# Altium PCB S6 V1.2.PcbDoc (part 3 of 3)
Units mil, origin at the board's own origin, x right, y up, seen from the top; angles counter-clockwise.
Board outline 4627.34 x 3435.24 mil, 4 copper layers (Top, GND, Power, Bottom), stack 65.004 mil thick; 231 components, 249 nets, 1013 pads, 463 vias.
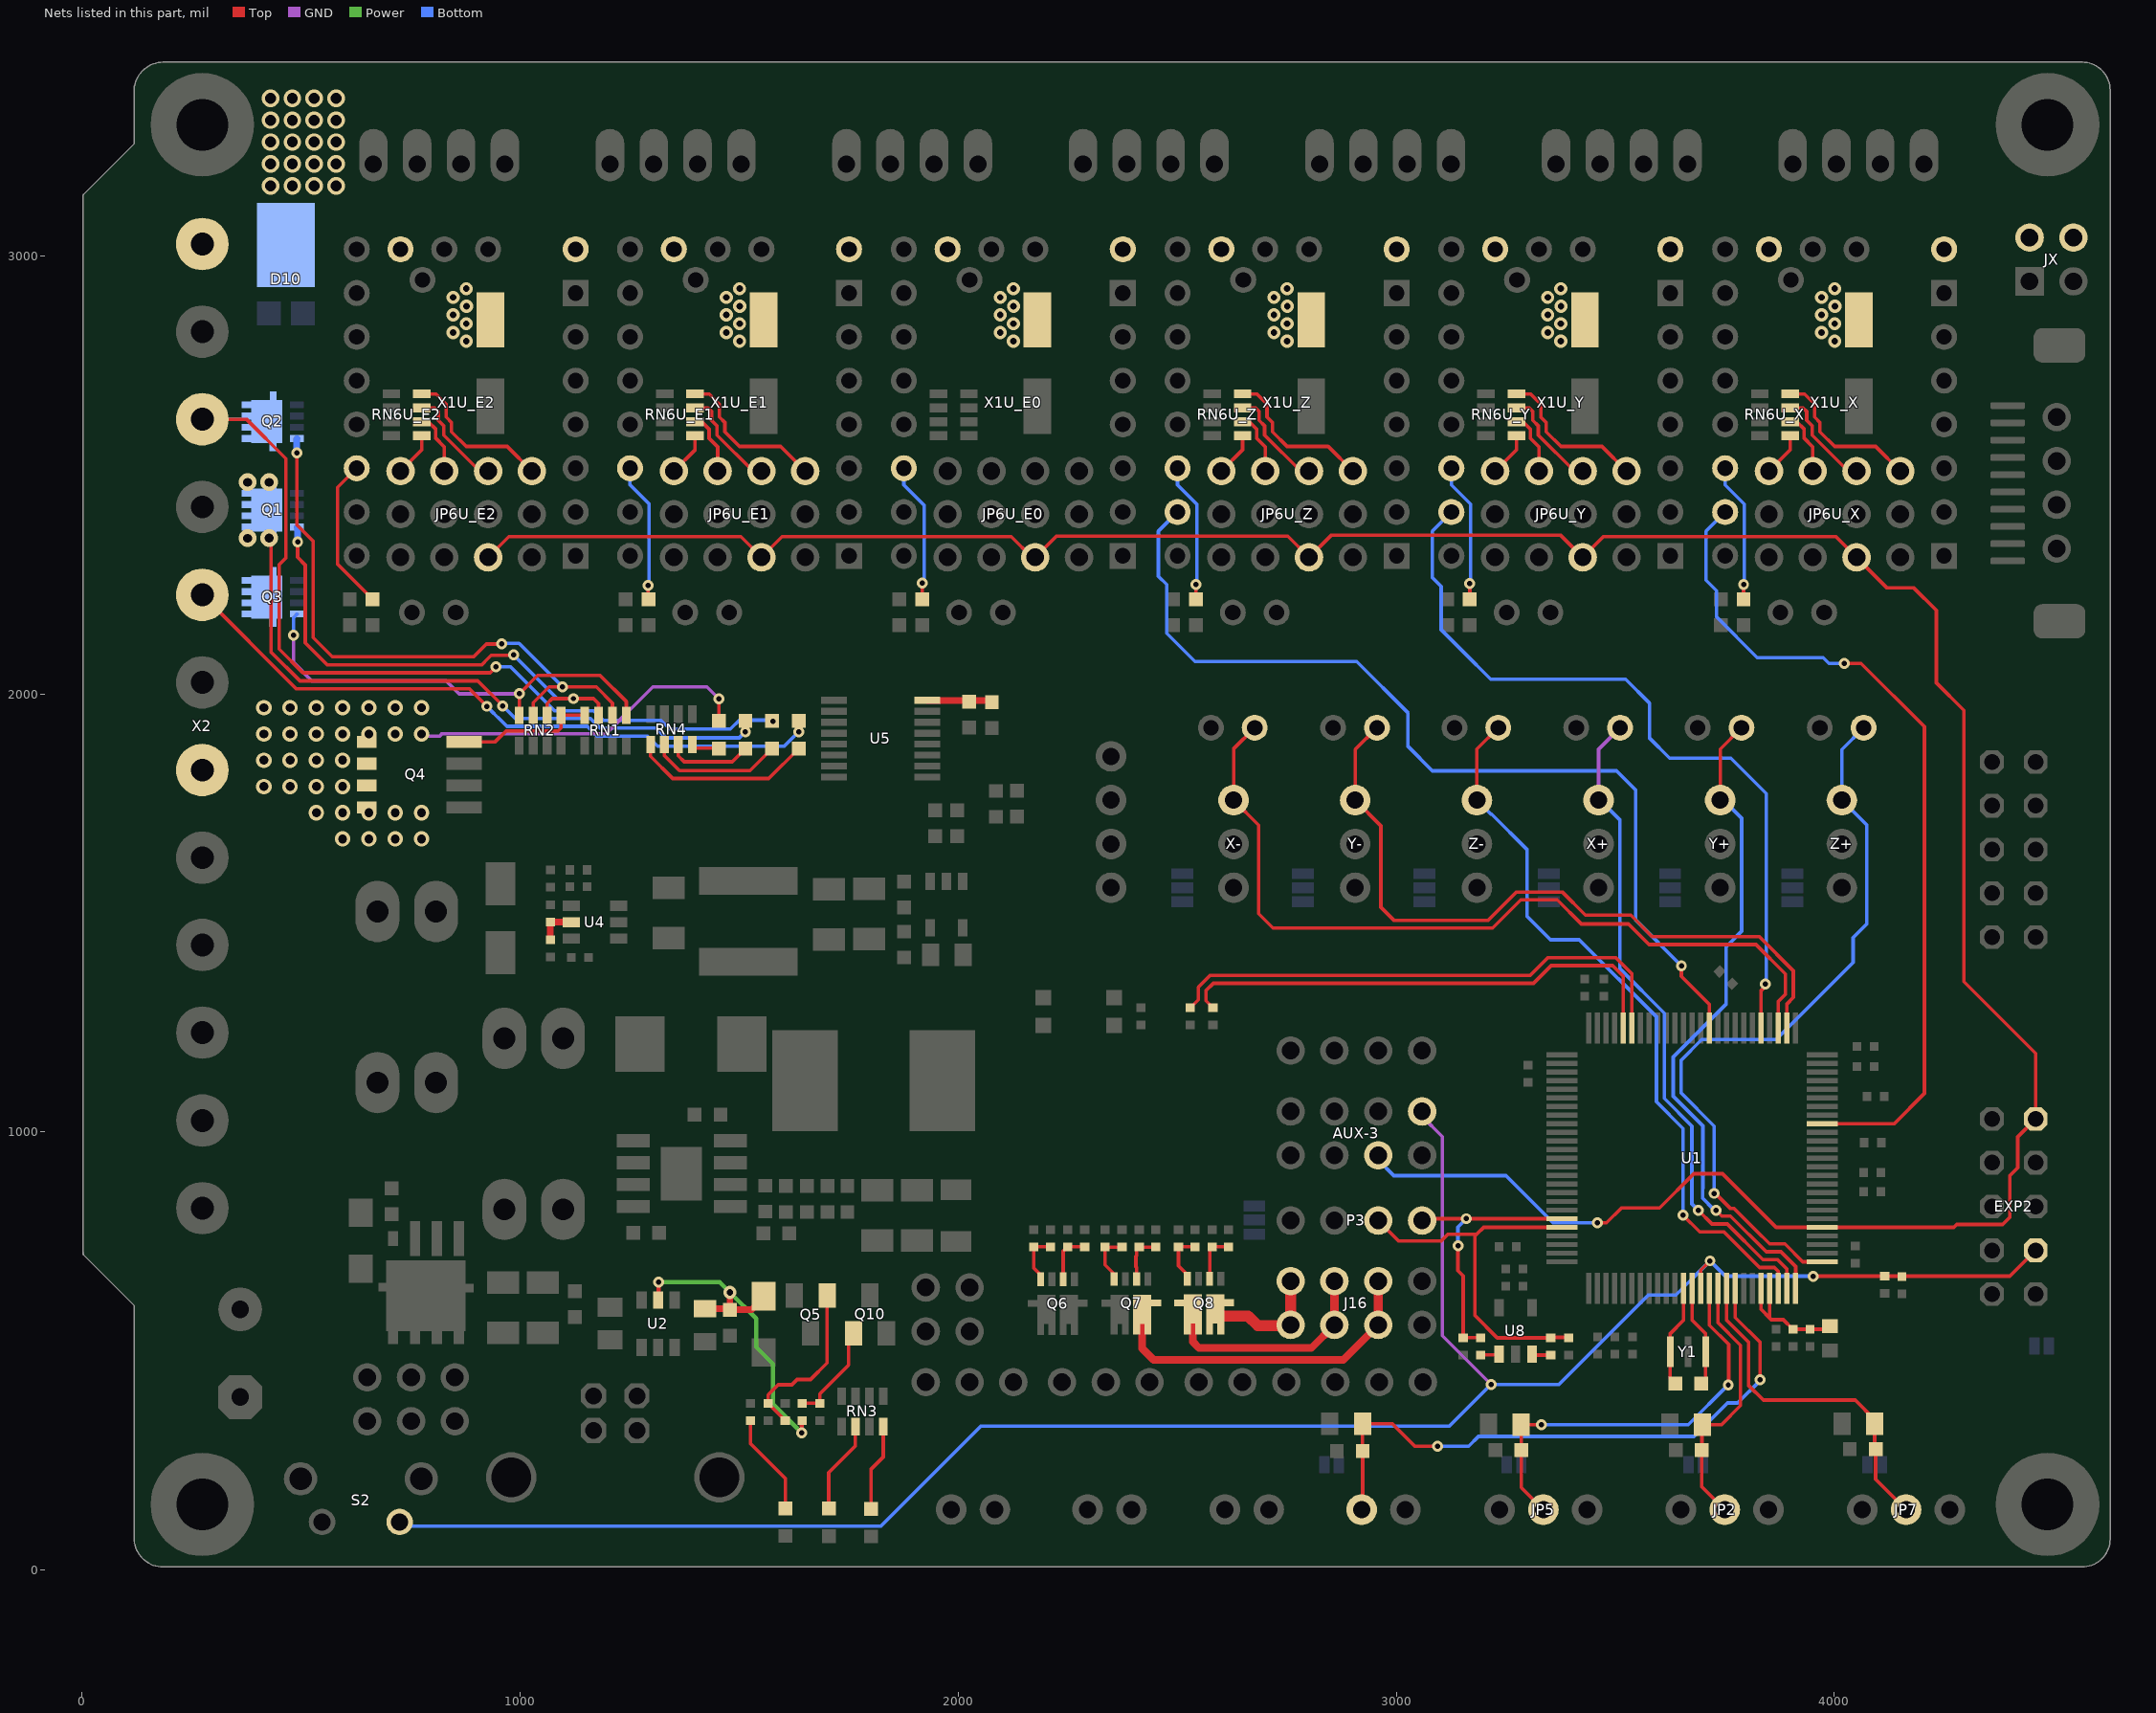
[diagram p5: the nets of this part, all layers, seen from the top]

## Via types
v1: diameter 25, hole 12, Top to Bottom, tented both sides, 192 vias
v2: diameter 30, hole 15, Top to Bottom, tented both sides, 157 vias
v3: diameter 35, hole 20, Top to Bottom, tented both sides, 60 vias
v4: diameter 40, hole 20, Top to Bottom, tented both sides, 31 vias
v5: diameter 40, hole 25, Top to Bottom, tented both sides, 20 vias
v6: diameter 22, hole 12, Top to Bottom, tented both sides, 3 vias

## Nets (pads, with @x,y where several pads share a name; then routed paths per layer and width w, separated by ;. In a path a pad name is that pad's centre, name@x,y a point inside that pad or via, vN(x,y) a via of type N, cw(c..) or ccw(c..) an arc to the next point about the centre after c; other vN are vias at no path point) (continued)
NetJP6U_E1_5: JP6U_E1.5 RN6U_E1.4 | length 354.3
  Top w8: RN6U_E1.4@1399.45,2685 1432,2685 1455,2662 1455,2632.09 1467.45,2619.64 1467.45,2598.55 1501,2565 1594.64,2565 JP6U_E1.5@1650.9,2508.74
NetJP6U_E1_6: JP6U_E1.6 RN6U_E1.3 | length 235.5
  Top w8: RN6U_E1.3@1399.45,2653 1429,2653 1437,2645 1437,2624.63 1449.45,2612.18 1449.45,2591.1 1531.8,2508.74 JP6U_E1.6@1550.9,2508.74
NetJP6U_E1_7: JP6U_E1.7 RN6U_E1.2 | length 142.9
  Top w8: RN6U_E1.2@1399.45,2621.25 1414.92,2621.25 1431.45,2604.73 1431.45,2583.64 1450.9,2564.19 JP6U_E1.7@1450.9,2508.74
NetJP6U_E1_8: JP6U_E1.8 RN6U_E1.1 | length 101.1
  Top w8: JP6U_E1.8@1350.9,2508.74 1399.45,2557.29 RN6U_E1.1@1399.45,2589.76
NetJP6U_E2_5: JP6U_E2.5 RN6U_E2.4 | length 354.3
  Top w8: RN6U_E2.4@775.45,2685 808,2685 831,2662 831,2632.09 843.45,2619.64 843.45,2598.55 877,2565 970.64,2565 JP6U_E2.5@1026.9,2508.74
NetJP6U_E2_6: JP6U_E2.6 RN6U_E2.3 | length 235.5
  Top w8: RN6U_E2.3@775.45,2653 805,2653 813,2645 813,2624.63 825.45,2612.18 825.45,2591.1 907.8,2508.74 JP6U_E2.6@926.9,2508.74
NetJP6U_E2_7: JP6U_E2.7 RN6U_E2.2 | length 142.9
  Top w8: RN6U_E2.2@775.45,2621.25 790.92,2621.25 807.45,2604.73 807.45,2583.64 826.9,2564.19 JP6U_E2.7@826.9,2508.74
NetJP6U_E2_8: JP6U_E2.8 RN6U_E2.1 | length 101.1
  Top w8: JP6U_E2.8@726.9,2508.74 775.45,2557.29 RN6U_E2.1@775.45,2589.76
NetJP6U_X_5: JP6U_X.5 RN6U_X.4 | length 354.3
  Top w8: RN6U_X.4@3899.45,2685 3932,2685 3955,2662 3955,2632.09 3967.45,2619.64 3967.45,2598.55 4001,2565 4094.64,2565 JP6U_X.5@4150.9,2508.74
NetJP6U_X_6: JP6U_X.6 RN6U_X.3 | length 235.5
  Top w8: RN6U_X.3@3899.45,2653 3929,2653 3937,2645 3937,2624.63 3949.45,2612.18 3949.45,2591.1 4031.8,2508.74 JP6U_X.6@4050.9,2508.74
NetJP6U_X_7: JP6U_X.7 RN6U_X.2 | length 142.9
  Top w8: RN6U_X.2@3899.45,2621.25 3914.92,2621.25 3931.45,2604.73 3931.45,2583.64 3950.9,2564.19 JP6U_X.7@3950.9,2508.74
NetJP6U_X_8: JP6U_X.8 RN6U_X.1 | length 101.1
  Top w8: JP6U_X.8@3850.9,2508.74 3899.45,2557.29 RN6U_X.1@3899.45,2589.76
NetJP6U_Y_5: JP6U_Y.5 RN6U_Y.4 | length 354.3
  Top w8: RN6U_Y.4@3274.45,2685 3307,2685 3330,2662 3330,2632.09 3342.45,2619.64 3342.45,2598.55 3376,2565 3469.64,2565 JP6U_Y.5@3525.9,2508.74
NetJP6U_Y_6: JP6U_Y.6 RN6U_Y.3 | length 235.5
  Top w8: RN6U_Y.3@3274.45,2653 3304,2653 3312,2645 3312,2624.63 3324.45,2612.18 3324.45,2591.1 3406.8,2508.74 JP6U_Y.6@3425.9,2508.74
NetJP6U_Y_7: JP6U_Y.7 RN6U_Y.2 | length 142.9
  Top w8: RN6U_Y.2@3274.45,2621.25 3289.92,2621.25 3306.45,2604.73 3306.45,2583.64 3325.9,2564.19 JP6U_Y.7@3325.9,2508.74
NetJP6U_Y_8: JP6U_Y.8 RN6U_Y.1 | length 101.1
  Top w8: JP6U_Y.8@3225.9,2508.74 3274.45,2557.29 RN6U_Y.1@3274.45,2589.76
NetJP6U_Z_5: JP6U_Z.5 RN6U_Z.4 | length 354.3
  Top w8: RN6U_Z.4@2649.45,2685 2682,2685 2705,2662 2705,2632.09 2717.45,2619.64 2717.45,2598.55 2751,2565 2844.64,2565 JP6U_Z.5@2900.9,2508.74
NetJP6U_Z_6: JP6U_Z.6 RN6U_Z.3 | length 235.5
  Top w8: RN6U_Z.3@2649.45,2653 2679,2653 2687,2645 2687,2624.63 2699.45,2612.18 2699.45,2591.1 2781.8,2508.74 JP6U_Z.6@2800.9,2508.74
NetJP6U_Z_7: JP6U_Z.7 RN6U_Z.2 | length 142.9
  Top w8: RN6U_Z.2@2649.45,2621.25 2664.92,2621.25 2681.45,2604.73 2681.45,2583.64 2700.9,2564.19 JP6U_Z.7@2700.9,2508.74
NetJP6U_Z_8: JP6U_Z.8 RN6U_Z.1 | length 101.1
  Top w8: JP6U_Z.8@2600.9,2508.74 2649.45,2557.29 RN6U_Z.1@2649.45,2589.76
NetLD1_1: LD1.1 Q4.5 Q4.6 Q4.7 Q4.8 X2.7 | length 788.6
  Top w8: LD1.1@1453.5,1938.5 v1@1453.5,1988.97
  GND w8: v3(775,1909) 780,1904 816.26,1904 821.79,1909.53 1196.47,1909.53 1302.94,2016 1426.47,2016 v1@1453.5,1988.97
  other v1: 1453.5,1988.85
  other v3: 595,1669 655,1669 715,1669 775,1669 535,1729 595,1729 655,1729 715,1729 775,1729 415,1789 475,1789 535,1789 595,1789 415,1849 475,1849 535,1849 595,1849 415,1909 475,1909 535,1909 595,1909 655,1909 715,1909 415,1969 475,1969 535,1969 595,1969 655,1969 715,1969 775,1969
NetLD1_2: LD1.2 RN4.4 | length 61.1
  Top w8: RN4.4@1393,1876.55 1452.02,1876.55 LD1.2@1453.5,1875.07
NetLD2_1: LD2.1 Q1.5 Q1.6 Q1.7 Q1.8 X2.1 | length 1454.9
  Top w8: v4@431,2356 431,2096.25 497.25,2030 903.48,2030 960,1973.48 v1(960,1973) ; v1(1514.33,1914) LD2.1@1514.33,1938.5
  Bottom w8: v1(960,1973) 989,1944 1160.63,1944 1182.63,1922 1310.98,1922 1332.98,1900 1500.33,1900 v1(1514.33,1914)
  other v4: 378,2355.64 427,2356 378,2483.59 427,2483.59
NetLD2_2: LD2.2 RN4.3 | length 197.2
  Top w8: RN4.3@1361,1884.55 1361,1858.77 1374.52,1845.25 1484.08,1845.25 LD2.2@1514.33,1875.5
NetLD3_1: LD3.1 Q2.5 Q2.6 Q2.7 Q2.8 X2.3 | length 1991.4
  Top w8: X2.3@274.41,2627.17 375.36,2627.17 465,2537.52 465,2310.46 450,2295.46 450,2102.71 504.21,2048.5 931.5,2048.5 v1(945,2062)
  Bottom w8: X2.3@274.41,2627.17 Q2.7@373.83,2627.17 ; v1(945,2062) 977.91,2062 1077.91,1962 1168.09,1962 1190.09,1940 1321,1940 1341,1920 1480,1920 1500.5,1940.5 1574.4,1940.5 v1(1576.83,1938.06)
NetLD3_2: LD3.2 RN4.2 | length 306.1
  Top w8: RN4.2@1329.25,1884.55 1329.25,1859.59 1363.85,1825 1524.66,1825 LD3.2@1575.17,1875.5
NetLD4_1: LD4.1 Q3.5 Q3.6 Q3.7 Q3.8 X2.5 | length 1544.9
  Top w8: X2.5@274.41,2226.33 488.74,2012 884,2012 v1(924,1972) ; v1@1636,1912.18 v1(1636,1914) LD4.1@1636,1938.5
  Bottom w8: v1(924,1972) 933.5,1962.5 933.5,1962.02 949.02,1946.5 949.5,1946.5 970,1926 1153.18,1926 1175.18,1904 1291.1,1904 1314.1,1881 1603,1881 v1(1636,1914)
NetLD4_2: LD4.2 RN4.1 | length 414.5
  Top w8: RN4.1@1297.76,1884.55 1297.76,1857.59 1348.35,1807 1567.5,1807 LD4.2@1636,1875.5
NetLD5_2: LD5.2 RN3.2 | length 212.2
  Top w8: LD5.2@1704.63,140.5 1704.63,222.68 1765.25,283.3 RN3.2@1765.25,327.55
NetLD6_2: LD6.2 R49.1 | length 233.2
  Top w8: R49.1@1526,341.32 1526,288.72 1605.5,209.22 LD6.2@1605.5,141
NetLD7_2: LD7.2 RN3.4 | length 199.5
  Top w8: LD7.2@1800.94,139.8 1800.76,139.98 1800.76,230 1829,258.24 RN3.4@1829,327.55
NetQ1_4: Q1.4 RN1.3 RN2.2 | length 1137.7
  Top w8: v1(492,2347) 492,2312 509.5,2294.5 509.5,2116.5 559.5,2066.5 912.5,2066.5 918.5,2072.5 918.5,2072.98 934.02,2088.5 981.5,2088.5 v1@985,2085 ; RN2.2@1061.75,1951.45 1061.75,1978.17 1073.08,1989.5 v1(1122,1989.5) 1167.5,1989.5 1179,1978 RN1.3@1179,1951.45
  Bottom w8: v1(985,2089) 1084.5,1989.5 v1(1122,1989.5)
  Bottom w15: Q1.4@490.73,2381.23 492,2379.96 v1(492,2347)
NetQ2_4: Q2.4 RN1.2 RN2.3 | length 1379.3
  Top w8: v1(490,2550) 490,2386.48 527.5,2348.98 527.5,2128.5 571,2085 894,2085 923,2114 957,2114 v1(958,2115) ; RN2.3@1030,1951.45 1030,1980.15 1065.85,2016 v1(1097,2016) 1174,2016 1210.75,1979.25 RN1.2@1210.75,1951.45
  Bottom w8: v1(958,2115) 958.5,2115.5 997.5,2115.5 v1(1097,2016)
  Bottom w15: v1(490,2550) 490,2582.5 Q2.4@490.73,2583.23
NetQ3_4: Q3.4 RN1.1 RN2.4 | length 1025.5
  Top w8: RN2.4@998,1951.45 v1(998,2000.52) 1039.98,2042.5 1182.5,2042.5 1242.24,1982.76 RN1.1@1242.24,1951.45
  GND w8: v1(483,2134) 483,2071.5 524.5,2030 831.36,2030 860.84,2000.52 v1(998,2000.52)
  Bottom w8: v1(483,2134) 483,2174.88 Q3.4@490.73,2182.61
NetQ4_4: Q4.4 RN1.4 RN2.1 | length 317.1
  Top w8: Q4.4@872,1891 943,1891 968,1916 1087,1916 1093.24,1922.24 RN2.1@1093.24,1951.45 RN1.4@1147,1951.45
NetQ5_1: Q5.1 R46.1 R47.2 | length 393.9
  Top w8: R46.1@1604.9,341.47 1566,380.37 R47.2@1566,380.84 1566,400 1589,423 1620.19,423 1632.19,435 1635.13,435 1663.13,435 1700.75,472.62 Q5.1@1700.75,627
NetQ6_2: Q6.2 R25.2 R28.1 | length 109.2
  Top w8: Q6.2@2239.75,671.99 2239.75,727.8 R28.1@2249.96,738 R25.2@2288.96,738
NetQ6_4: Q6.4 R26.2 R29.1 | length 118.7
  Top w8: Q6.4@2188.57,664.12 2188.57,673.89 2172.73,689.73 R29.1@2172.73,738 R26.2@2210.96,738
NetQ7_2: Q7.2 R40.2 R43.1 | length 106.7
  Top w8: Q7.2@2407.23,672.33 2407.23,690.88 2405.75,692.36 2405.75,716.39 2407.23,717.87 2407.23,731.29 R43.1@2413.28,737.34 R40.2@2451.28,737.34
NetQ7_4: Q7.4 R37.2 R41.1 | length 120.5
  Top w8: Q7.4@2356.05,664.46 2356.05,676.22 2335.28,697 R41.1@2335.28,737.34 R37.2@2374.28,737.34
NetQ8_2: Q8.2 R39.2 R42.1 | length 113.3
  Top w8: Q8.2@2574.11,665.12 2574.11,732.11 R39.2@2580,738 R42.1@2616.98,738 R42.1@2617.66,737.32
NetQ8_4: Q8.4 R27.2 R30.1 | length 119.2
  Top w8: Q8.4@2522.93,665.12 2522.93,674.39 2502.81,694.5 R30.1@2502.81,738 R27.2@2540.81,738
NetQ10_1: Q10.1 R6.1 R48.2 | length 231.9
  Top w8: R6.1@1644,380.84 R48.2@1684,380.84 1684,402.13 1750,468.13 1750,529.41 Q10.1@1761.28,540.69
NetR4_1: R4.1 U1.12 Y1.3 | length 218.2
  Top w8: Y1.3@3625.6,498 3625.6,437.87 R4.1@3637.47,426 ; Y1.3@3625.6,514 3625.6,540.16 3655.94,570.5 U1.12@3655.94,642.76
NetR4_2: R4.2 U1.13 Y1.1 | length 217.6
  Top w8: U1.13@3675.63,642.76 3675.63,570.37 3706.4,539.6 Y1.1@3706.4,514 ; R4.2@3696.53,426 3706.4,435.87 Y1.1@3706.4,498
NetR8_1: R8.1 R50.2 U4.5 | length 88.6
  Top w15: R50.2@1069,1438.65 R8.1@1069,1479.12 1116.93,1479.12 U4.5@1117.05,1479
NetR20_2: R20.2 R22.2 U5.16 | length 149.6
  Top w8: R20.2@2072.48,1985.5 R20.2@2077,1980.98
  Top w15: U5.16@1929.3,1985.5 R20.2@2072.48,1985.5
NetR24U_E0_1: R24U_E0.1 X1U_E0.6 | length 319.8
  Top w8: R24U_E0.1@1918,2216.53 v1(1918,2253.68)
  Bottom w8: X1U_E0.6@1875.9,2515.32 1875.9,2477.1 1893.97,2459.03 ; 1894.01,2459.03 1922.32,2430.73 1922.32,2258 v1(1918,2253.68)
NetR24U_E1_1: R24U_E1.1 X1U_E1.6 | length 318.4
  Top w8: v1(1292,2248) 1292,2217.53 R24U_E1.1@1293,2216.53
  Bottom w8: X1U_E1.6@1250.9,2515.32 1250.9,2477.14 1294.62,2433.42 1294.62,2250.62 v1(1292,2248)
NetR24U_E2_1: R24U_E2.1 X1U_E2.6 | length 354.2
  Top w8: X1U_E2.6@626.9,2515.32 583.18,2471.6 583.18,2296.34 R24U_E2.1@663,2216.53 ; R24U_E2.1@666,2219.53 R24U_E2.1@669,2216.53
NetR24U_X_1: R24U_X.1 X1U_X.6 | length 317.6
  Top w8: R24U_X.1@3793,2216.53 v1(3793,2250)
  Bottom w8: X1U_X.6@3750.9,2515.32 3750.9,2477.14 3794.62,2433.42 3794.62,2251.62 v1(3793,2250)
NetR24U_Y_1: R24U_Y.1 X1U_Y.6 | length 317.6
  Top w8: R24U_Y.1@3168,2216.53 v1(3168,2252)
  Bottom w8: X1U_Y.6@3125.9,2515.32 3125.9,2477.14 3169.62,2433.42 3169.62,2253.62 v1(3168,2252)
NetR24U_Z_1: R24U_Z.1 X1U_Z.6 | length 317.6
  Top w8: R24U_Z.1@2543,2216.53 v1(2543,2250)
  Bottom w8: X1U_Z.6@2500.9,2515.32 2500.9,2477.1 2518.97,2459.03 ; 2519.01,2459.03 2544.62,2433.42 2544.62,2251.62 v1(2543,2250)
NetR31_2: R31.2 U8.3 | length 43.7
  Top w8: U8.3@3309.93,492.52 3311.47,490.98 R31.2@3353,490.98
NetR32_2: R32.2 U8.1 | length 43.1
  Top w8: R32.2@3192.53,491.32 3233.92,491.32 U8.1@3235.13,492.52
RESET: AUX-3.8 C14.2 EXP2.3 R13.1 S2.1 U1.14 | length 4778.3
  Top w8: U1.14@3695.31,642.76 3695.31,684.86 v1(3716.46,706) ; v1(3952.22,671) 4401,671 EXP2.3@4460,730
  GND w8: AUX-3.8@3059,1036 3105.48,989.52 3105.48,679.01 3105.48,640.5 3105.26,640.28 3105.26,579.23 3105.48,579.01 3105.48,540.5 3105.26,540.28 3105.26,535.03 v1(3216.51,423.77)
  Bottom w8: S2.1@725,110 734.28,100.72 1823.83,100.72 2051.63,328.52 3121.14,328.52 3203.62,411 3203.74,411 v1(3216.51,423.77) 3371.51,423.77 3575.49,627.76 3638.21,627.76 v1(3716.46,706) 3751.46,671 v1(3952.22,671)
RGB_B: J16.7 J16.8 Q8.7 Q8.8 | length 289.6
  Top w25: Q8.8@2586.9,596 2602.9,580 2662,580 2684,558 2759,558 J16.8@2759,559.76 J16.7@2759,659.76
RGB_G: J16.3 J16.4 Q7.7 Q7.8 | length 772.1
  Top w17: Q7.8@2420.02,595.34 2420.02,506 2446.04,479.98 2879.22,479.98 J16.4@2959,559.76
  Top w20: J16.4@2959,559.76 J16.3@2959,659.76
RGB_R: J16.5 J16.6 Q8.5 Q8.6 | length 525.8
  Top w17: Q8.6@2535.72,596 2535.72,521.28 2550.02,506.98 2806.22,506.98 J16.6@2859,559.76
  Top w20: J16.6@2859,559.76 J16.5@2859,659.76
SCK: AUX-3.5 EXP2.9 JP6U_E0.10 JP6U_E1.10 JP6U_E2.10 JP6U_X.10 JP6U_Y.10 JP6U_Z.10 U1.30 | length 6666.9
  Top w8: JP6U_E2.10@926.9,2311.89 974.04,2359.03 1503.76,2359.03 JP6U_E1.10@1550.9,2311.89 1598.04,2359.03 2121.37,2359.03 2168.51,2311.89 JP6U_E0.10@2175.9,2311.89 2224.43,2360.42 2752.37,2360.42 JP6U_Z.10@2800.9,2311.89 2851.23,2362.22 3375.57,2362.22 JP6U_Y.10@3425.9,2311.89 3473.04,2359.03 4003.76,2359.03 JP6U_X.10@4050.9,2311.89 4120.79,2242 4182,2242 4233,2191 4233,2025.65 4296,1962.65 4296,1343.54 4460,1179.54 EXP2.9@4460,1030 4419,989 4419,918.46 4401,900.46 4401,805.46 4384.54,789 4279.54,789 4273.06,782.52 U1.30@3972.87,782.52 3867.41,782.52 3745.14,904.79 3679.33,904.79 3601.54,827 3514.26,827 3480.26,793 v1@3467,793
  Bottom w8: AUX-3.5@2959,936 2994.48,900.52 3250.48,900.52 3358,793 v1(3459,793) v1@3467,793
SCL: P3.1 R10.2 R32.1 U1.95 | length 670
  Top w8: P3.1@3059,798 3063.21,802.21 v1(3160,802.21) U1.95@3378.39,802.21 ; v1(3141,740) 3141,683.57 3153,671.57 R10.2@3153,530.68 R32.1@3192.53,530.68
  Bottom w8: P3.1@3059,798 P3.1@3084,798 ; v1(3141,740) 3141,783.21 v1(3160,802.21)
SDA: P3.2 R7.2 R31.1 U1.96 | length 871.8
  Top w8: P3.2@2959,798 3006,751 3102.31,751 3117.81,766.5 3183.57,766.5 ; U1.96@3378.39,782.52 3199.59,782.52 3183.57,766.5 ; R7.2@3390.53,531.37 3353,531.37 R31.1@3353,530.35 3230.65,530.35 3179.57,581.43 3179.57,762.5 3183.57,766.5
STEPU_X: U1.42 X1U_X.7 | length 1945
  Top w8: U1.42@3972.87,1018.74 4028.27,1018.74 4028.34,1018.67 4136.32,1018.67 4206,1088.34 4206,1925.37 4061.37,2070 v1(4023,2070)
  Bottom w8: X1U_X.7@3750.9,2415.32 3707.18,2371.6 3707.18,2259.82 3731,2236 3731,2176.26 3824.26,2083 3975,2083 3988,2070 v1(4023,2070)
STEPU_Y: U1.55 X1U_Y.7 | length 1783.2
  Top w8: U1.55@3833.11,1237.24 3833.11,1323.11 3848,1338 v1@3849,1338
  Bottom w8: X1U_Y.7@3125.9,2415.32 3082.18,2371.6 3082.18,2265.82 3102.53,2245.47 3102.53,2146.93 3153,2096.46 3215.46,2034 3523.46,2034 3578,1979.46 3578,1899.86 3624.17,1853.69 3763.9,1853.69 3844.75,1772.84 3844.75,1342.25 v1@3849,1338
  other v1: 3843,1338
STEPU_Z: U1.61 X1U_Z.7 | length 2180
  Top w8: v1(3651,1379.5) 3651,1355.53 3715,1291.53 U1.61@3715,1237.24
  Bottom w8: X1U_Z.7@2500.9,2415.32 2457.18,2371.6 2457.18,2268.8 2476,2249.99 2476,2138.46 2540.46,2074 2710,2074 2710.39,2074.39 2787.7,2074.39 2788.09,2074 2855.91,2074 2909.54,2074 3027,1956.54 3027,1880.07 3082.38,1824.69 3502.76,1824.69 3546.95,1780.51 3546.95,1483.55 v1(3651,1379.5)
THERM0: C11.2 JP5.2 R12.1 U1.15 | length 966.1
  Top w8: v1(3331,332) C11.2@3285.4,332 3285.4,274.13 R12.1@3285.53,274 3285.53,188.47 JP5.2@3336,138 ; U1.15@3715,642.76 3715,559.16 3759,515.16 3759,430 v1@3752,423
  Bottom w8: v1(3331,332) 3667,332 v1(3758,423)
THERM1: C10.2 JP2.2 R11.1 U1.16 | length 596.6
  Top w8: C10.2@3698,332 3698,274.47 R11.1@3697.53,274 3697.53,190.47 JP2.2@3750,138 ; C10.2@3712,332 3742.62,332 3786.11,375.49 3786.11,513.5 3734.68,564.93 U1.16@3734.68,642.76
THERM2: C13.2 JP7.2 R38.1 U1.17 | length 797.4
  Top w8: U1.17@3754.37,642.76 3754.37,570.7 3804.11,520.95 3804.11,421.89 3838,388 4048,388 4092.4,343.6 C13.2@4092.4,334 4092.4,278.13 R38.1@4094.53,276 4094.53,207.47 JP7.2@4164,138
THERM3: C1.2 JP9.2 R5.1 U1.18 | length 1423.4
  Top w8: JP9.2@2921,138 2925,142 2923.53,143.47 R5.1@2923.53,272 2923,272.53 C1.2@2923,334 2991.32,334 3042.69,282.63 v1(3094,282.63) ; U1.18@3774.05,642.76 3774.05,576.47 3831,519.52 v1(3831,435)
  Bottom w8: v1(3094,282.63) 3165.45,282.63 3187.86,305.04 3679.97,305.04 3756.43,381.5 3779.5,381.5 3831,433 v1(3831,435)
USB_D_N: R15.2 U1.70 | length 1211.8
  Top w8: R15.2@2529.84,1283.53 2548,1301.68 2548,1330.62 2574.99,1357.61 3305.87,1357.61 3346.25,1398 3501.49,1398 3537.83,1361.66 U1.70@3537.83,1237.24
USB_D_P: R16.2 U1.71 | length 1149.7
  Top w8: R16.2@2581.69,1284.27 2566,1299.96 2566,1323.17 2582.44,1339.61 3313.32,1339.61 3353.71,1380 3494.04,1380 3518.15,1355.89 U1.71@3518.15,1237.24
UVCC: C25.2 D1.1 F5.2 R6.2 U2.5 | length 828.5
  Top w10: U2.5@1315,616.39 1316.04,617.43 v1(1316.04,657) ; v1(1643,313) 1643,338.47 1645,340.47 R6.2@1644,341.47
  Top w15: F5.2@1422,596.72 1476.63,596.72 C25.2@1478.82,594.53 ; v2(1478.82,633.82) C25.2@1478.82,594.53 ; D1.1@1547.96,636.3 1547.96,613.96 1528.53,594.53 C25.2@1478.82,594.53
  Power w10: v1(1316.04,657) 1455.64,657 v2(1478.82,633.82) 1538.64,574 1538.64,509.31 1577,470.96 1577,379 v1(1643,313)
VDDA: C33.2 C34.2 FB1.2 U1.21 U1.22 | length 291.9
  Top w8: U1.21@3833.11,642.76 3833.11,594.89 3852.79,575.21 ; U1.22@3852.79,642.76 3852.79,575.21 ; C33.2@3906,549 3883.47,571.53 3856.47,571.53 3852.79,575.21 ; C33.2@3906,549.68 C34.2@3945,549.68 3988.68,549.68 FB1.2@3990,551
VMOT: C2U_E0.1 C2U_E1.1 C2U_E2.1 C2U_X.1 C2U_Y.1 C2U_Z.1 D10.2 JX.2 JX.4 X1U_E0.16 X1U_E1.16 X1U_E2.16 X1U_X.16 X1U_Y.16 X1U_Z.16
  other v2: 876.9,2805.32 1500.9,2805.32 2125.9,2805.32 2750.9,2805.32 3375.9,2805.32 4000.9,2805.32 846.9,2825.32 1470.9,2825.32 2095.9,2825.32 2720.9,2825.32 3345.9,2825.32 3970.9,2825.32 876.9,2845.32 1500.9,2845.32 2125.9,2845.32 2750.9,2845.32 3375.9,2845.32 4000.9,2845.32 846.9,2865.32 1470.9,2865.32 2095.9,2865.32 2720.9,2865.32 3345.9,2865.32 3970.9,2865.32 877.35,2885.23 1501.35,2885.23 2126.35,2885.23 2751.35,2885.23 3376.35,2885.23 4001.35,2885.23 846.9,2905.32 1470.9,2905.32 2095.9,2905.32 2720.9,2905.32 3345.9,2905.32 3970.9,2905.32 876.9,2925.32 1500.9,2925.32 2125.9,2925.32 2750.9,2925.32 3375.9,2925.32 4000.9,2925.32